# Altium PCB Copy of FPGA_Module.PcbDoc (part 2 of 3) (continued)
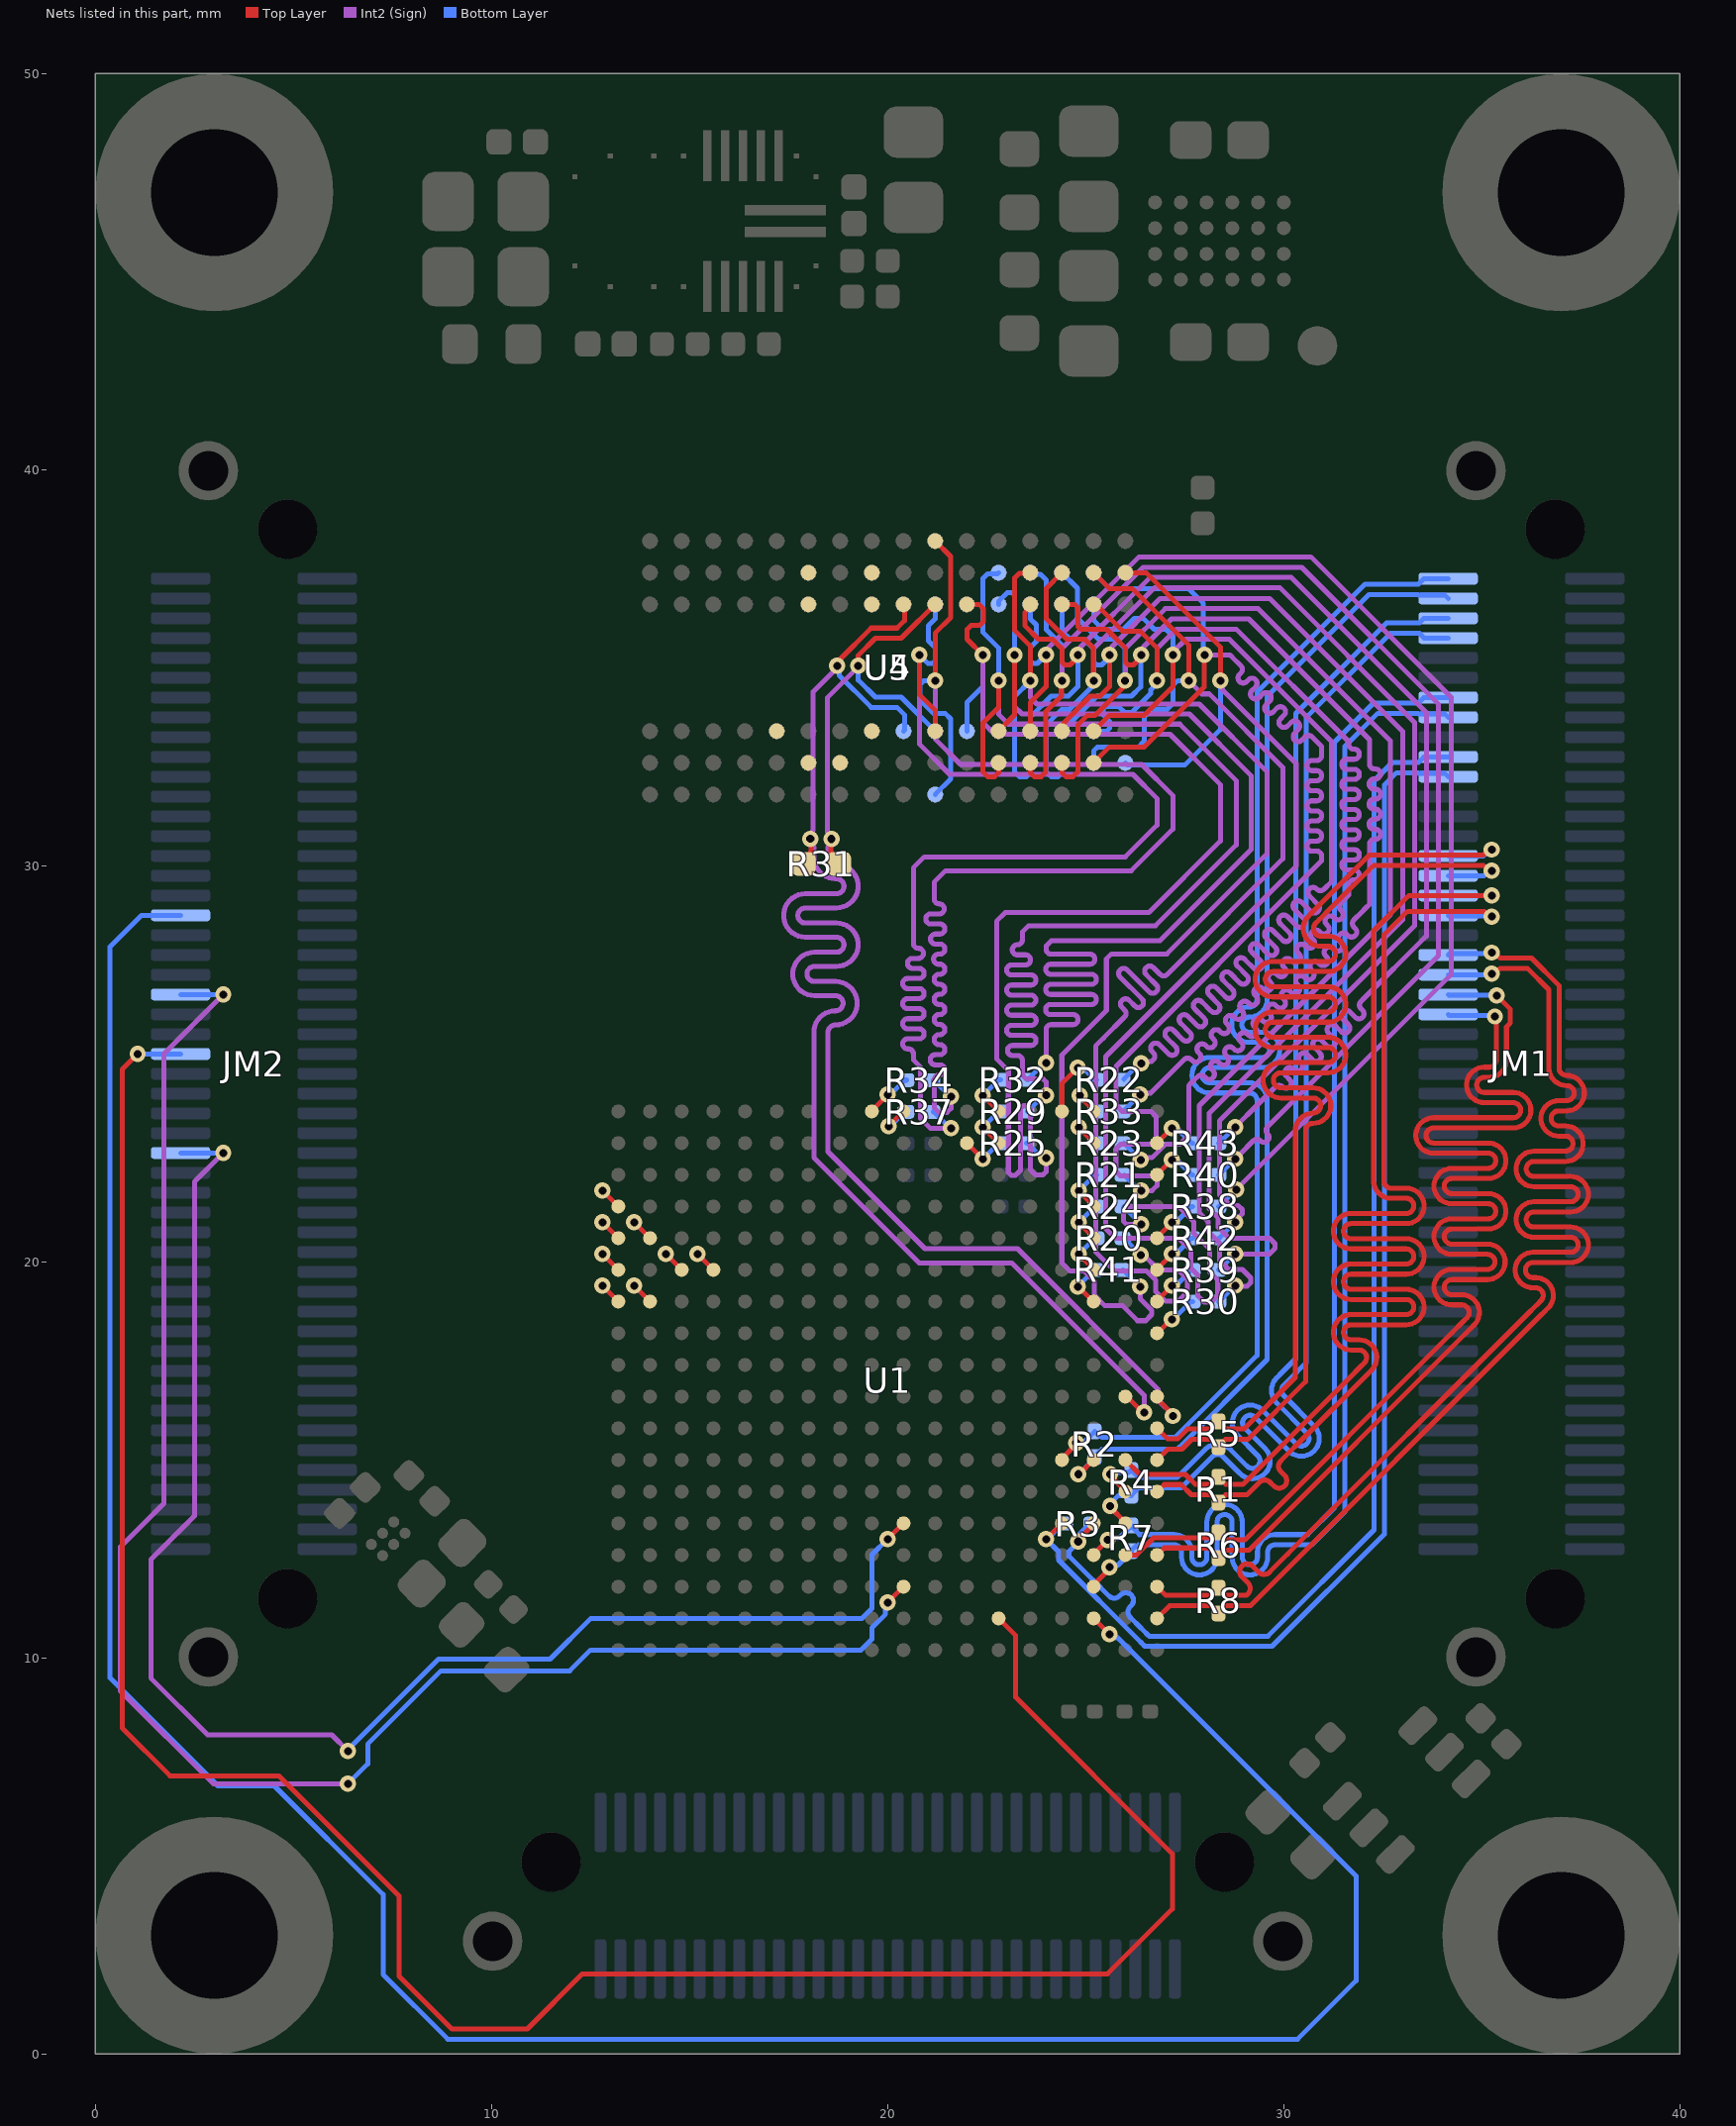
[diagram p5: the nets of this part, all layers, seen from the top]
## Nets (pads, with @x,y where several pads share a name; then routed paths per layer and width w, separated by ;. In a path a pad name is that pad's centre, name@x,y a point inside that pad or via, vN(x,y) a via of type N, cw(c..) or ccw(c..) an arc to the next point about the centre after c; other vN are vias at no path point) (continued)
  Bottom Layer w0.127: U5.P7@24.4,33.4 24.405,33.4 25.286,34.281 26.157,34.281 26.387,34.512 26.387,35.312 v1(26.4,35.325) ; R23.2@25.963,23 v1(26.388,22.575)
DDR3_A2: R39.1 U1.V12 | length 1.2
  Top Layer w0.127: U1.V12@26.8,19 26.8,19.013 27.175,19.388 v1(27.175,19.4)
  Bottom Layer w0.127: v1(27.175,19.4) 27.228,19.453 27.328,19.453 27.675,19.8 R39.1@27.7,19.8
DDR3_A2_T: R39.2 U4.P3 U5.P3 | length 32.6
  Top Layer w0.127: U4.P3@24.4,33.4 24.452,33.452 24.452,33.616 25.118,34.281 25.363,34.281 25.6,34.518 v1(25.6,35.325)
  Int2 (Sign) w0.127: v1(25.6,35.325) 25.653,35.378 25.653,35.521 26.882,36.75 29.644,36.75 33.003,33.391 33.003,28.639 28.122,23.758 28.122,21.338 28.342,21.119 28.342,20.877 28.618,20.6 29.642,20.6 29.782,20.46 29.782,20.341 29.641,20.2 v1(28.775,20.2)
  Bottom Layer w0.127: U5.P3@24.4,36.6 24.4,35.925 24.606,35.719 24.963,35.719 25.2,35.482 25.2,35.143 25.274,35.069 25.405,35.069 25.6,35.264 v1(25.6,35.325) ; R39.2@28.35,19.8 28.375,19.8 v1(28.775,20.2)
DDR3_A3: R40.1 U1.V16 | length 1.2
  Top Layer w0.127: U1.V16@26.8,22.2 v1(27.175,22.575)
  Bottom Layer w0.127: v1(27.175,22.575) 27.228,22.522 27.353,22.522 27.675,22.2 R40.1@27.7,22.2
DDR3_A3_T: R40.2 U4.N2 U5.N2 | length 33.5
  Top Layer w0.127: U4.N2@23.6,32.6 23.6,32.35 23.7,32.25 23.875,32.25 23.991,32.365 23.991,33.891 24.385,34.285 v1@24.385,34.671
  Int2 (Sign) w0.127: v1(24.4,34.675) 24.4,35.482 26.451,37.533 30.455,37.533 33.91,34.078 33.91,27.735 29.635,23.46 29.59,23.415 ccw(c29.68,23.326) 29.59,23.236 cw(c29.501,23.146) 29.59,23.056 cw(c29.501,23.146) 29.411,23.056 ccw(c29.321,22.966) 29.231,23.056 28.892,22.717 v1(28.775,22.6)
  Bottom Layer w0.127: U5.N2@23.6,37.4 23.639,37.361 23.859,37.361 24.01,37.21 24.01,35.956 24.406,35.56 24.406,34.681 v1(24.4,34.675) ; R40.2@28.35,22.2 28.375,22.2 v1(28.775,22.6)
DDR3_A4: R42.1 U1.V13 | length 1.2
  Top Layer w0.127: U1.V13@26.8,19.8 26.8,19.813 27.175,20.188 v1(27.175,20.2)
  Bottom Layer w0.127: v1(27.175,20.2) 27.228,20.253 27.328,20.253 27.675,20.6 R42.1@27.7,20.6
DDR3_A4_T: R42.2 U4.P8 U5.P8 | length 33.9
  Top Layer w0.127: U4.P8@24.4,37.4 24.01,37.009 24.01,36.231 24.522,35.719 24.974,35.719 25.194,35.499 25.194,34.681 v1@25.2,34.675
  Int2 (Sign) w0.127: v1(25.2,34.675) 25.2,35.482 26.743,37.025 29.898,37.025 33.3,33.623 33.3,28.482 28.376,23.558 28.376,21.692 28.643,21.425 28.846,21.425 28.952,21.319 28.952,21.214 28.775,21.037 v1(28.775,21)
  Bottom Layer w0.127: U5.P8@24.4,32.6 24.4,32.35 24.3,32.25 24.125,32.25 24.01,32.365 24.01,33.562 24.398,33.95 24.591,33.95 25.2,34.559 25.2,34.599 v1(25.2,34.675) ; R42.2@28.35,20.6 28.375,20.6 v1(28.775,21)
DDR3_A5: R30.1 U1.V11 | length 1.2
  Top Layer w0.127: U1.V11@26.8,18.2 26.813,18.2 27.162,18.55 v1(27.175,18.55)
  Bottom Layer w0.127: v1(27.175,18.55) 27.212,18.55 27.662,19 R30.1@27.7,19
DDR3_A5_T: R30.2 U4.P2 U5.P2 | length 34.1
  Top Layer w0.127: U4.P2@24.4,32.6 24.4,32.35 24.5,32.25 24.675,32.25 24.81,32.384 24.81,33.562 25.038,33.791 25.231,33.791 25.925,34.484 25.925,34.531 25.994,34.599 v1(25.994,34.675)
  Int2 (Sign) w0.127: v1(25.994,34.675) 26.006,34.688 26.006,35.488 27.01,36.492 29.356,36.492 32.695,33.153 32.695,28.769 27.868,23.943 27.868,21.233 28.088,21.014 28.088,20.772 28.379,20.48 28.379,20.046 28.381,20.044 28.381,20.037 28.612,19.806 28.954,19.806 29.165,19.595 29.165,19.474 29.076,19.384 v1@28.791,19.384 ; v1(28.775,19.4) v1@28.791,19.384 ; v1@28.8,19.375 v1@28.791,19.384
  Bottom Layer w0.127: U5.P2@24.4,37.4 24.791,37.01 24.791,36.25 25.322,35.719 25.763,35.719 25.994,35.488 v1(25.994,34.675) ; R30.2@28.35,19 28.375,19 v1(28.775,19.4)
DDR3_A6: R20.1 U1.T13 | length 1.2
  Top Layer w0.127: v1(24.825,20.2) 24.825,20.188 25.2,19.813 U1.T13@25.2,19.8
  Bottom Layer w0.127: v1(24.825,20.2) 24.837,20.2 25.237,20.6 R20.1@25.275,20.6
DDR3_A6_T: R20.2 U4.R8 U5.R8 | length 34.4
  Top Layer w0.127: U4.R8@25.2,37.4 25.6,37 26.175,37 27.6,35.575 v1(27.6,34.675)
  Int2 (Sign) w0.127: v1(26.388,20.175) 26.464,20.175 26.845,19.794 27.338,19.794 27.569,19.563 27.569,19.237 27.338,19.006 27.012,19.006 26.772,19.246 26.772,19.535 26.532,19.775 25.725,19.775 25.25,20.25 25.25,25.2 25.25,25.45 25.451,25.651 25.981,26.181 ccw(c25.891,26.271) 25.981,26.36 25.917,26.424 cw(c26.007,26.514) 25.917,26.603 cw(c26.007,26.514) 26.097,26.603 26.242,26.458 ccw(c26.332,26.548) 26.422,26.458 ccw(c26.332,26.548) 26.422,26.638 25.868,27.192 cw(c25.958,27.282) 25.868,27.371 cw(c25.958,27.282) 26.047,27.371 26.602,26.817 ccw(c26.691,26.907) 26.781,26.817 ccw(c26.691,26.907) 26.781,26.997 26.527,27.252 cw(c26.616,27.341) 26.527,27.431 cw(c26.616,27.341) 26.706,27.431 26.879,27.258 ccw(c26.969,27.348) 27.058,27.258 27.283,27.483 29.975,30.175 29.975,32.485 28.121,34.339 27.936,34.339 v1(27.6,34.675)
  Bottom Layer w0.127: U5.R8@25.2,32.6 25.2,32.9 25.291,32.991 26.323,32.991 26.475,33.143 26.475,33.749 26.668,33.942 27.047,33.942 27.2,34.094 27.2,34.55 27.325,34.675 v1(27.6,34.675) ; R20.2@25.963,20.6 v1(26.388,20.175)
DDR3_A7: R21.1 U1.T15 | length 1.2
  Top Layer w0.127: v1(24.825,21.8) 24.825,21.788 25.187,21.425 U1.T15@25.187,21.4
  Bottom Layer w0.127: v1(24.825,21.8) 24.837,21.8 25.237,22.2 R21.1@25.275,22.2
DDR3_A7_T: R21.2 U4.R2 U5.R2 | length 34.8
  Top Layer w0.127: U4.R2@25.2,32.6 25.6,33 26.482,33 27.763,34.281 27.994,34.512 v1@27.994,35.319
  Int2 (Sign) w0.127: v1(26.4,21.8) 26.675,21.8 26.8,21.925 26.8,22.05 26.675,22.175 25.874,22.175 25.761,22.289 25.761,22.844 25.886,22.969 26.64,22.969 26.781,23.11 26.781,23.672 26.653,23.8 25.916,23.8 25.767,23.95 25.767,24.935 30.956,30.125 30.956,30.18 30.956,30.243 ccw(c30.829,30.243) 30.829,30.37 30.713,30.37 cw(c30.713,30.497) 30.713,30.624 30.829,30.624 ccw(c30.829,30.751) 30.829,30.878 30.713,30.878 cw(c30.713,31.005) 30.713,31.132 30.829,31.132 ccw(c30.829,31.259) 30.829,31.386 30.713,31.386 cw(c30.713,31.513) 30.713,31.64 30.829,31.64 ccw(c30.829,31.767) 30.829,31.894 30.713,31.894 cw(c30.713,32.021) 30.713,32.148 30.829,32.148 ccw(c30.829,32.275) 30.829,32.402 30.713,32.402 cw(c30.713,32.529) 30.713,32.656 30.829,32.656 ccw(c30.829,32.783) 30.956,32.783 30.956,33.012 30.761,33.207 30.716,33.252 ccw(c30.627,33.162) 30.537,33.252 30.455,33.17 cw(c30.365,33.26) 30.275,33.17 cw(c30.365,33.26) 30.275,33.349 30.365,33.44 ccw(c30.275,33.529) 30.365,33.619 ccw(c30.275,33.529) 30.186,33.619 30.095,33.529 cw(c30.006,33.619) 29.916,33.529 cw(c30.006,33.619) 29.916,33.709 30.006,33.799 ccw(c29.916,33.889) 30.006,33.978 ccw(c29.916,33.889) 29.826,33.978 29.736,33.888 cw(c29.646,33.978) 29.557,33.888 cw(c29.646,33.978) 29.557,34.068 29.647,34.158 ccw(c29.557,34.248) 29.647,34.338 ccw(c29.557,34.248) 29.467,34.338 29.377,34.247 cw(c29.287,34.337) 29.197,34.247 cw(c29.287,34.337) 29.197,34.427 29.288,34.517 ccw(c29.198,34.607) 29.288,34.697 ccw(c29.198,34.607) 29.108,34.697 29.063,34.652 cw(c28.973,34.742) 28.884,34.652 cw(c28.973,34.742) 28.884,34.831 28.92,34.868 ccw(c28.83,34.958) 28.92,35.048 28.689,35.28 28.644,35.325 v1(28,35.325)
  Bottom Layer w0.127: U5.R2@25.2,37.4 25.61,36.991 27.606,36.991 27.971,36.626 27.971,35.354 v1(28,35.325) ; R21.2@25.963,22.187 25.976,22.187 26.363,21.8 v1(26.4,21.8)
DDR3_A8: R24.1 U1.T14 | length 1.2
  Top Layer w0.127: v1(24.825,21) 24.825,20.988 25.187,20.625 U1.T14@25.187,20.6
  Bottom Layer w0.127: v1(24.825,21) 24.837,21 25.237,21.4 R24.1@25.275,21.4
DDR3_A8_T: R24.2 U4.T8 U5.T8 | length 34.4
  Top Layer w0.127: U4.T8@26,37.4 26.525,37.4 28.4,35.525 v1(28.4,34.675)
  Int2 (Sign) w0.127: v1(26.4,20.95) 26.025,20.95 25.95,21.025 25.95,21.3 26.05,21.4 27.336,21.4 27.725,21.011 27.725,20.725 28.125,20.325 28.125,19.747 28.335,19.538 28.335,19.151 28.167,18.983 27.992,18.983 27.825,19.15 27.825,19.669 27.65,19.844 27.65,20.3 27.354,20.596 25.751,20.596 25.507,20.84 25.507,25.184 30.315,29.992 30.315,32.579 28.453,34.44 28.453,34.622 v1(28.4,34.675)
  Bottom Layer w0.127: R24.2@25.963,21.4 25.963,21.387 v1(26.4,20.95) ; U5.T8@26,32.6 26.052,32.548 26.204,32.548 26.211,32.541 27.501,32.541 28.4,33.44 v1(28.4,34.675)
DDR3_A9: R22.1 U1.R18 | length 1.9
  Top Layer w0.127: U1.R18@24.4,23.8 24.4,24.5 v1(24.8,24.9)
  Bottom Layer w0.127: v1(24.8,24.9) 24.853,24.847 24.99,24.847 25.237,24.6 R22.1@25.275,24.6
DDR3_A9_T: R22.2 U4.R3 U5.R3 | length 33.5
  Top Layer w0.127: U4.R3@25.2,33.4 25.6,33.8 26.482,33.8 27.2,34.518 v1(27.2,35.325)
  Int2 (Sign) w0.127: v1(26.401,25.012) 26.443,25.054 26.661,25.054 26.706,25.099 ccw(c26.616,25.189) 26.706,25.279 26.677,25.307 cw(c26.767,25.397) 26.677,25.487 cw(c26.767,25.397) 26.857,25.487 27.092,25.251 ccw(c27.182,25.341) 27.272,25.251 ccw(c27.182,25.341) 27.272,25.431 27.037,25.666 cw(c27.126,25.756) 27.037,25.846 cw(c27.126,25.756) 27.216,25.846 27.451,25.611 ccw(c27.541,25.7) 27.631,25.611 ccw(c27.541,25.7) 27.631,25.79 27.396,26.026 cw(c27.486,26.115) 27.396,26.205 cw(c27.486,26.115) 27.575,26.205 27.811,25.97 ccw(c27.9,26.06) 27.99,25.97 ccw(c27.9,26.06) 27.99,26.149 27.755,26.385 cw(c27.845,26.475) 27.755,26.564 cw(c27.845,26.475) 27.935,26.564 28.17,26.329 ccw(c28.26,26.419) 28.349,26.329 ccw(c28.26,26.419) 28.349,26.509 28.114,26.744 cw(c28.204,26.834) 28.114,26.924 cw(c28.204,26.834) 28.294,26.924 28.529,26.688 ccw(c28.619,26.778) 28.709,26.688 ccw(c28.619,26.778) 28.709,26.868 28.473,27.103 cw(c28.563,27.193) 28.473,27.283 cw(c28.563,27.193) 28.653,27.283 28.888,27.048 ccw(c28.978,27.137) 29.068,27.048 ccw(c28.978,27.137) 29.068,27.227 28.833,27.462 cw(c28.922,27.552) 28.833,27.642 cw(c28.922,27.552) 29.012,27.642 29.247,27.407 ccw(c29.337,27.497) 29.427,27.407 ccw(c29.337,27.497) 29.427,27.586 29.192,27.822 cw(c29.282,27.911) 29.192,28.001 cw(c29.282,27.911) 29.371,28.001 29.607,27.766 ccw(c29.696,27.856) 29.786,27.766 ccw(c29.696,27.856) 29.786,27.946 29.551,28.181 cw(c29.641,28.271) 29.551,28.36 cw(c29.641,28.271) 29.731,28.36 29.966,28.125 ccw(c30.056,28.215) 30.145,28.125 ccw(c30.056,28.215) 30.145,28.305 29.91,28.54 cw(c30,28.63) 29.91,28.72 cw(c30,28.63) 30.09,28.72 30.325,28.484 ccw(c30.415,28.574) 30.505,28.484 ccw(c30.415,28.574) 30.505,28.664 30.269,28.899 cw(c30.359,28.989) 30.269,29.079 cw(c30.359,28.989) 30.449,29.079 30.684,28.844 ccw(c30.774,28.933) 30.864,28.844 ccw(c30.774,28.933) 30.864,29.023 30.649,29.238 cw(c30.739,29.327) 30.649,29.417 cw(c30.739,29.327) 30.829,29.417 30.836,29.41 ccw(c30.926,29.5) 31.016,29.41 31.21,29.604 31.21,29.611 31.21,33.134 28.623,35.721 27.528,35.721 27.2,35.393 v1(27.2,35.325)
  Bottom Layer w0.127: U5.R3@25.2,36.6 25.2,36.2 25.428,35.973 25.948,35.973 26.225,36.25 26.45,36.25 26.727,35.973 27.027,35.973 27.2,35.8 v1(27.2,35.325) ; R22.2@25.963,24.613 v1@26.375,25.025
DDR3_A10: R25.1 U1.M17 | length 1.2
  Top Layer w0.127: U1.M17@22,23 v1(22.4,22.6)
  Bottom Layer w0.127: v1(22.4,22.6) 22.412,22.6 22.812,23 R25.1@22.85,23
DDR3_A10_T: R25.2 U4.L7 U5.L7 | length 32.2
  Top Layer w0.127: U4.L7@22,36.6 22.308,36.6 22.42,36.489 22.42,36.167 22.324,36.071 22.109,36.071 22.005,35.967 22.005,35.72 v1(22.4,35.325)
  Int2 (Sign) w0.127: v1(22.4,35.325) 22.4,33.625 22.702,33.323 27.127,33.323 28.4,32.05 28.4,30.625 26.596,28.821 22.971,28.821 22.75,28.6 22.75,25.126 23.048,24.829 23.048,22.261 23.122,22.187 23.227,22.187 23.35,22.31 23.35,23.866 23.424,23.94 23.53,23.94 23.606,23.863 23.606,22.319 23.731,22.194 23.919,22.194 24,22.275 v1(24,22.625)
  Bottom Layer w0.127: U5.L7@22,33.4 22,34.118 22.4,34.518 v1(22.4,35.325) ; R25.2@23.5,23 23.525,23 23.847,22.678 23.947,22.678 v1(24,22.625)
DDR3_A11: R33.1 U1.T18 | length 1.1
  Top Layer w0.127: v1(24.85,24.202) 24.85,24.176 25.187,23.839 U1.T18@25.187,23.794
  Bottom Layer w0.127: v1@24.85,24.201 25.251,23.8 R33.1@25.275,23.8
DDR3_A11_T: R33.2 U4.R7 U5.R7 | length 32.9
  Top Layer w0.127: U4.R7@25.2,36.6 25.259,36.6 25.934,35.925 26.375,35.925 26.8,35.5 v1(26.8,34.675)
  Int2 (Sign) w0.127: v1(26.375,24.225) 26.412,24.262 26.641,24.262 26.903,24.524 27.487,25.107 cw(c27.577,25.018) 27.666,25.107 27.692,25.081 ccw(c27.782,25.171) 27.872,25.081 ccw(c27.782,25.171) 27.872,25.261 27.846,25.287 cw(c27.936,25.377) 27.846,25.467 cw(c27.936,25.377) 28.026,25.467 28.052,25.44 ccw(c28.141,25.53) 28.231,25.44 ccw(c28.141,25.53) 28.231,25.62 28.205,25.646 cw(c28.295,25.736) 28.205,25.826 cw(c28.295,25.736) 28.385,25.826 28.411,25.8 ccw(c28.501,25.889) 28.59,25.8 ccw(c28.501,25.889) 28.59,25.979 28.564,26.005 cw(c28.654,26.095) 28.564,26.185 cw(c28.654,26.095) 28.744,26.185 28.77,26.159 ccw(c28.86,26.249) 28.95,26.159 ccw(c28.86,26.249) 28.95,26.339 28.924,26.365 cw(c29.013,26.454) 28.924,26.544 cw(c29.013,26.454) 29.103,26.544 29.129,26.518 ccw(c29.219,26.608) 29.309,26.518 ccw(c29.219,26.608) 29.309,26.698 29.283,26.724 cw(c29.373,26.814) 29.283,26.903 cw(c29.373,26.814) 29.462,26.903 29.489,26.877 ccw(c29.578,26.967) 29.668,26.877 ccw(c29.578,26.967) 29.668,27.057 29.642,27.083 cw(c29.732,27.173) 29.642,27.263 cw(c29.732,27.173) 29.822,27.263 29.848,27.237 ccw(c29.938,27.326) 30.027,27.237 ccw(c29.938,27.326) 30.027,27.416 30.001,27.442 cw(c30.091,27.532) 30.001,27.622 cw(c30.091,27.532) 30.181,27.622 30.207,27.596 ccw(c30.297,27.686) 30.387,27.596 ccw(c30.297,27.686) 30.387,27.775 30.36,27.801 cw(c30.45,27.891) 30.36,27.981 cw(c30.45,27.891) 30.54,27.981 30.566,27.955 ccw(c30.656,28.045) 30.746,27.955 ccw(c30.656,28.045) 30.746,28.135 30.72,28.161 cw(c30.81,28.25) 30.72,28.34 cw(c30.81,28.25) 30.899,28.34 30.925,28.314 ccw(c31.015,28.404) 31.105,28.314 ccw(c31.015,28.404) 31.105,28.494 31.079,28.52 cw(c31.169,28.61) 31.079,28.699 cw(c31.169,28.61) 31.259,28.699 31.285,28.673 ccw(c31.374,28.763) 31.464,28.673 ccw(c31.374,28.763) 31.464,28.853 31.438,28.879 cw(c31.528,28.969) 31.438,29.059 31.575,29.195 31.591,29.212 31.641,29.261 31.641,29.515 cw(c31.768,29.515) 31.768,29.642 31.777,29.642 ccw(c31.777,29.769) 31.777,29.896 31.591,29.896 cw(c31.591,30.023) 31.591,30.15 31.783,30.15 ccw(c31.783,30.277) 31.783,30.404 31.591,30.404 cw(c31.591,30.531) 31.591,30.658 31.78,30.658 ccw(c31.78,30.785) 31.78,30.912 31.591,30.912 cw(c31.591,31.039) 31.591,31.166 31.78,31.166 ccw(c31.78,31.293) 31.78,31.42 31.591,31.42 cw(c31.591,31.547) 31.591,31.674 31.781,31.674 ccw(c31.781,31.801) 31.781,31.928 31.591,31.928 cw(c31.591,32.055) 31.591,32.182 31.781,32.182 ccw(c31.781,32.309) 31.781,32.436 31.591,32.436 cw(c31.591,32.563) 31.591,32.69 31.782,32.69 ccw(c31.782,32.817) 31.782,32.944 31.768,32.944 cw(c31.768,33.071) 31.641,33.071 31.641,33.134 28.8,35.975 27.293,35.975 26.8,35.482 v1(26.8,34.675)
  Bottom Layer w0.127: U5.R7@25.2,33.4 25.535,33.4 25.61,33.474 25.61,33.64 25.437,33.813 25.437,33.953 25.512,34.027 25.825,34.027 25.977,33.876 26.166,33.876 26.641,34.351 26.641,34.441 26.8,34.599 v1(26.8,34.675) ; R33.2@25.963,23.8 25.963,23.813 v1(26.375,24.225)
DDR3_A12: R43.1 U1.V17 | length 1.2
  Top Layer w0.127: U1.V17@26.8,23 v1(27.175,23.375)
  Bottom Layer w0.127: v1(27.175,23.375) 27.228,23.322 27.353,23.322 27.675,23 R43.1@27.7,23
DDR3_A12_T: R43.2 U4.N7 U5.N7 | length 32.9
  Top Layer w0.127: U4.N7@23.6,36.6 23.6,36.526 23.464,36.39 23.464,36.062 23.806,35.719 24.163,35.719 24.4,35.482 24.4,35.143 24.474,35.069 24.605,35.069 24.8,35.264 v1(24.8,35.325)
  Int2 (Sign) w0.127: v1(24.8,35.325) 24.853,35.378 24.853,35.507 26.626,37.279 30.191,37.279 33.6,33.87 33.6,28.225 31.993,26.618 31.948,26.573 ccw(c32.038,26.483) 31.948,26.393 31.989,26.353 cw(c31.899,26.263) 31.989,26.173 cw(c31.899,26.263) 31.809,26.173 31.669,26.313 ccw(c31.58,26.223) 31.49,26.313 ccw(c31.58,26.223) 31.49,26.133 31.63,25.993 cw(c31.54,25.904) 31.63,25.814 cw(c31.54,25.904) 31.45,25.814 31.31,25.954 ccw(c31.22,25.864) 31.131,25.954 ccw(c31.22,25.864) 31.131,25.774 31.27,25.634 cw(c31.181,25.544) 31.27,25.455 cw(c31.181,25.544) 31.091,25.455 30.951,25.594 ccw(c30.861,25.505) 30.771,25.594 ccw(c30.861,25.505) 30.771,25.415 30.911,25.275 cw(c30.821,25.185) 30.911,25.095 cw(c30.821,25.185) 30.732,25.095 30.592,25.235 ccw(c30.502,25.145) 30.412,25.235 ccw(c30.502,25.145) 30.412,25.056 30.436,25.032 cw(c30.346,24.942) 30.436,24.853 cw(c30.346,24.942) 30.256,24.853 30.242,24.867 ccw(c30.152,24.777) 30.062,24.867 ccw(c30.152,24.777) 30.062,24.687 30.152,24.597 cw(c30.062,24.508) 30.152,24.418 cw(c30.062,24.508) 29.972,24.418 ccw(c29.883,24.328) 29.793,24.418 29.355,23.98 v1(28.775,23.4)
  Bottom Layer w0.127: U5.N7@23.6,33.4 23.6,33.75 24.131,34.281 24.563,34.281 24.8,34.518 v1(24.8,35.325) ; R43.2@28.35,23 28.375,23 v1(28.775,23.4)
DDR3_BA0: R29.1 U1.N17 | length 1.2
  Top Layer w0.127: v1(22.4,23.4) U1.N17@22.8,23
  Bottom Layer w0.127: v1(22.4,23.4) 22.412,23.4 22.812,23.8 R29.1@22.85,23.8
DDR3_BA0_T: R29.2 U4.M2 U5.M2 | length 33.4
  Top Layer w0.127: U4.M2@22.8,32.6 22.8,32.35 22.7,32.25 22.525,32.25 22.41,32.365 22.41,33.608 22.804,34.002 22.804,34.671 v1(22.8,34.675)
  Int2 (Sign) w0.127: v1(22.8,34.675) 22.8,33.825 23.048,33.577 27.373,33.577 28.8,32.15 28.8,30.525 26.761,28.486 23.559,28.486 23.463,28.39 23.401,28.328 23.401,28.132 cw(c23.274,28.132) 23.274,28.005 ccw(c23.274,27.878) 23.274,27.751 23.48,27.751 cw(c23.48,27.624) 23.48,27.497 23.131,27.497 ccw(c23.131,27.37) 23.131,27.243 23.618,27.243 cw(c23.618,27.116) 23.618,26.989 23.131,26.989 ccw(c23.131,26.862) 23.131,26.735 23.614,26.735 cw(c23.614,26.608) 23.614,26.481 23.131,26.481 ccw(c23.131,26.354) 23.131,26.227 23.623,26.227 cw(c23.623,26.1) 23.623,25.973 23.131,25.973 ccw(c23.131,25.846) 23.131,25.719 23.619,25.719 cw(c23.619,25.592) 23.619,25.465 23.152,25.465 ccw(c23.152,25.338) 23.152,25.211 23.274,25.211 cw(c23.274,25.084) 23.401,25.084 23.401,25.02 23.401,24.718 23.501,24.617 23.926,24.617 24.001,24.543 v1(24.001,24.205)
  Bottom Layer w0.127: v1(22.8,34.675) 22.8,35.5 22.41,35.89 22.41,37.257 22.527,37.375 22.775,37.375 U5.M2@22.8,37.4 ; R29.2@23.533,23.8 23.538,23.8 23.943,24.205 v1(24.001,24.205)
DDR3_BA1: R41.1 U1.T12 | length 1.2
  Top Layer w0.127: v1(24.8,19.375) 24.813,19.375 25.187,19 U1.T12@25.2,19
  Bottom Layer w0.127: v1(24.8,19.375) 25.225,19.8 R41.1@25.25,19.8
DDR3_BA1_T: R41.2 U4.N8 U5.N8 | length 33.5
  Top Layer w0.127: U4.N8@23.6,37.4 23.581,37.381 23.321,37.381 23.21,37.27 23.21,35.94 23.601,35.549 v1(23.601,34.675)
  Int2 (Sign) w0.127: v1(23.601,34.675) 23.601,34.249 23.765,34.085 27.865,34.085 29.575,32.375 29.575,30.3 27.05,27.775 25.65,27.775 25.524,27.649 25.524,26.348 24.397,25.222 24.397,19.971 24.599,19.769 24.965,19.769 25.216,19.518 25.216,19.159 25.475,18.9 25.925,18.9 26.31,18.515 26.515,18.515 26.67,18.67 26.67,18.775 26.375,19.07 v1(26.375,19.375)
  Bottom Layer w0.127: U5.N8@23.6,32.6 23.6,32.35 23.5,32.25 23.325,32.25 23.21,32.365 23.21,34.277 v1@23.604,34.671 ; R41.2@25.938,19.8 26.362,19.375 v1(26.375,19.375)
DDR3_BA2: R32.1 U1.N18 | length 1.2
  Top Layer w0.127: v1(22.4,24.2) U1.N18@22.8,23.8
  Bottom Layer w0.127: v1(22.4,24.2) 22.413,24.2 22.813,24.6 R32.1@22.85,24.6
DDR3_BA2_T: R32.2 U4.M3 U5.M3 | length 32.2
  Top Layer w0.127: U4.M3@22.8,33.4 23.207,33.807 v1(23.207,35.323)
  Int2 (Sign) w0.127: v1@23.2,35.323 23.2,34.025 23.394,33.831 27.619,33.831 29.175,32.275 29.175,30.407 26.876,28.108 24.133,28.108 24.121,28.096 24.002,27.977 24.002,27.895 ccw(c24.129,27.895) 24.129,27.768 25.105,27.768 cw(c25.105,27.641) 25.105,27.514 24.119,27.514 ccw(c24.119,27.387) 24.119,27.26 25.143,27.26 cw(c25.143,27.133) 25.143,27.006 24.117,27.006 ccw(c24.117,26.879) 24.117,26.752 25.143,26.752 cw(c25.143,26.625) 25.143,26.498 24.114,26.498 ccw(c24.114,26.371) 24.114,26.244 24.679,26.244 cw(c24.679,26.117) 24.679,25.99 24.127,25.99 ccw(c24.127,25.863) 24,25.863 24,25.374 24,25.037 v1(24,25.025)
  Bottom Layer w0.127: U5.M3@22.8,36.6 22.8,36.674 23.024,36.898 23.135,36.898 23.209,36.824 v1@23.209,35.326 ; R32.2@23.533,24.6 23.538,24.6 23.963,25.025 v1(24,25.025)
DDR3_CAS: R37.1 U1.K18 | length 1.1
  Top Layer w0.127: v1(20.025,23.425) U1.K18@20.4,23.8
  Bottom Layer w0.127: v1(20.025,23.425) 20.072,23.425 20.435,23.789 R37.1@20.473,23.789
DDR3_CAS_T: R37.2 U4.K3 U5.K3 | length 32.1
  Top Layer w0.127: v1(20.8,35.325) 20.8,34.325 21.2,33.925 U4.K3@21.2,33.4
  Int2 (Sign) w0.127: v1(20.8,35.325) 20.8,33.075 21.568,32.307 26.193,32.307 26.8,31.7 26.8,31.025 26,30.225 20.925,30.225 20.65,29.95 20.65,29.03 20.65,28.043 ccw(c20.777,28.043) 20.777,27.916 cw(c20.777,27.789) 20.777,27.662 20.628,27.662 ccw(c20.628,27.535) 20.628,27.408 20.794,27.408 cw(c20.794,27.281) 20.794,27.154 20.506,27.154 ccw(c20.506,27.027) 20.506,26.9 20.794,26.9 cw(c20.794,26.773) 20.794,26.646 20.506,26.646 ccw(c20.506,26.519) 20.506,26.392 20.794,26.392 cw(c20.794,26.265) 20.794,26.138 20.506,26.138 ccw(c20.506,26.011) 20.506,25.884 20.794,25.884 cw(c20.794,25.757) 20.794,25.63 20.506,25.63 ccw(c20.506,25.503) 20.506,25.376 20.523,25.376 cw(c20.523,25.249) 20.65,25.249 20.65,25.186 20.65,25.1 20.825,24.925 20.825,23.625 21.075,23.375 v1(21.6,23.375)
  Bottom Layer w0.127: v1(20.8,35.325) 21.02,35.105 21.126,35.105 21.2,35.179 21.2,35.507 21.025,35.682 21.025,36.061 21.2,36.236 U5.K3@21.2,36.6 ; R37.2@21.156,23.789 21.161,23.789 21.575,23.375 v1(21.6,23.375)
DDR3_CKE: R34.1 U1.J18 | length 1.2
  Top Layer w0.127: U1.J18@19.6,23.8 19.6,23.813 20,24.212 v1(20,24.225)
  Bottom Layer w0.127: v1(20,24.225) 20.072,24.225 20.435,24.589 R34.1@20.473,24.589
DDR3_CKE_T: R34.2 U4.K9 U5.K9 | length 34.1
  Top Layer w0.127: v1(21.2,34.675) 21.2,35.875 21.59,36.266 21.59,37.81 U4.K9@21.2,38.2
  Int2 (Sign) w0.127: v1(21.2,34.675) 21.2,33.2 21.839,32.561 26.414,32.561 27.2,31.775 27.2,30.925 26.15,29.875 21.463,29.875 21.175,29.587 21.175,29.4 21.175,29.166 ccw(c21.302,29.166) 21.302,29.039 cw(c21.302,28.912) 21.302,28.785 21.09,28.785 ccw(c21.09,28.658) 21.09,28.531 21.319,28.531 cw(c21.319,28.404) 21.319,28.277 21.209,28.277 ccw(c21.209,28.15) 21.209,28.023 21.319,28.023 cw(c21.319,27.896) 21.319,27.769 21.285,27.769 ccw(c21.285,27.642) 21.285,27.515 21.319,27.515 cw(c21.319,27.388) 21.319,27.261 21.302,27.261 ccw(c21.302,27.134) 21.302,27.007 21.319,27.007 cw(c21.319,26.88) 21.319,26.753 21.302,26.753 ccw(c21.302,26.626) 21.302,26.499 21.319,26.499 cw(c21.319,26.372) 21.319,26.245 21.302,26.245 ccw(c21.302,26.118) 21.302,25.991 21.319,25.991 cw(c21.319,25.864) 21.319,25.737 21.302,25.737 ccw(c21.302,25.61) 21.302,25.483 21.319,25.483 cw(c21.319,25.356) 21.319,25.229 21.201,25.229 ccw(c21.201,25.102) 21.201,24.975 21.319,24.975 cw(c21.319,24.848) 21.319,24.721 21.302,24.721 ccw(c21.302,24.594) 21.175,24.594 21.175,24.277 21.175,23.888 21.288,23.775 21.5,23.775 21.6,23.875 v1(21.6,24.175)
  Bottom Layer w0.127: R34.2@21.156,24.589 21.161,24.589 21.575,24.175 v1(21.6,24.175) ; U5.K9@21.2,31.8 21.591,32.191 21.591,33.71 21.45,33.85 21.153,33.85 20.822,34.181 20.822,34.586 20.904,34.668 21.193,34.668 v1(21.2,34.675)
DDR3_CLK_N: R31.1 U1.V9 U4.K7 U5.K7 | length 36.5
  Top Layer w0.127: v1(18.583,30.678) 18.568,30.664 18.568,30.361 18.592,30.337 18.592,30.233 R31.1@18.775,30.05 ; v1@19.258,34.95 19.258,35.313 19.689,35.744 20.344,35.744 20.419,35.819 U4.K7@21.2,36.6 ; U1.V9@26.8,16.6 26.8,16.554 27.2,16.154 v1(27.2,16.109)
  Int2 (Sign) w0.127: v1@18.54,30.657 18.54,30.797 18.475,30.862 18.475,34.241 19.258,35.025 v1(19.258,35.05) ; v1@18.546,30.65 18.529,30.633 18.529,30.499 18.494,30.464 18.494,30.222 ccw(c18.685,30.222) 18.685,30.032 18.709,30.032 cw(c18.709,29.484) 18.709,28.936 17.923,28.936 ccw(c17.923,28.745) 17.923,28.555 18.709,28.555 cw(c18.709,28.007) 18.709,27.459 18.153,27.459 ccw(c18.153,27.269) 18.153,27.078 18.685,27.078 cw(c18.685,26.53) 18.685,25.982 ccw(c18.685,25.792) 18.494,25.792 18.494,24.906 18.494,22.781 20.943,20.332 23.28,20.332 26.832,16.78 26.832,16.506 27.2,16.139 v1(27.2,16.109)
  Bottom Layer w0.127: v1(19.258,35.05) 19.258,34.687 19.689,34.256 20.344,34.256 20.419,34.181 U5.K7@21.2,33.4
DDR3_CLK_P: R31.2 U1.U9 U4.J7 U5.J7 | length 36
  Top Layer w0.127: R31.2@17.875,30.05 18.058,30.233 18.058,30.354 18.065,30.361 18.065,30.664 v1(18.049,30.68) ; v1@18.725,34.95 18.778,35.003 18.778,35.197 19.583,36.001 20.237,36.001 20.424,36.188 20.424,36.576 U4.J7@20.4,36.6 ; U1.U9@26,16.6 26.037,16.6 26.438,16.2 v1(26.475,16.2)
  Int2 (Sign) w0.127: 18.137,30.464 18.137,30.222 ccw(c18.685,30.222) 18.685,29.674 18.709,29.674 cw(c18.709,29.484) 18.709,29.293 17.923,29.293 ccw(c17.923,28.745) 17.923,28.197 18.709,28.197 cw(c18.709,28.007) 18.709,27.816 18.153,27.816 ccw(c18.153,27.269) 18.153,26.721 18.685,26.721 cw(c18.685,26.53) 18.685,26.34 ccw(c18.685,25.792) 18.137,25.792 18.137,24.906 18.137,22.633 20.795,19.975 23.132,19.975 26.475,16.632 v1(26.475,16.2) ; 18.137,30.465 18.103,30.5 18.103,30.633 18.054,30.681 18.103,30.73 18.103,30.879 18.118,30.894 18.118,34.389 18.725,34.997 v1(18.725,35.05)
  Bottom Layer w0.127: v1(18.725,35.05) 18.778,34.997 18.778,34.804 19.583,33.999 20.237,33.999 20.424,33.812 20.424,33.424 U5.J7@20.4,33.4
DDR3_D0: U1.B12 U4.E3 | length 0.5
  Top Layer w0.127: v1(13.6,19.4) U1.B12@13.962,19.038
DDR3_D1: U1.A12 U4.F7 | length 0.5
  Top Layer w0.127: v1(12.8,19.4) U1.A12@13.162,19.038
DDR3_D2: U1.A13 U4.F2 | length 0.5
  Top Layer w0.127: v1(12.8,20.2) U1.A13@13.162,19.838
DDR3_D3: U1.A14 U4.F8 | length 0.5
  Top Layer w0.127: v1(12.8,21) U1.A14@13.162,20.638
DDR3_D4: U1.B14 U4.H3 | length 0.5
  Top Layer w0.127: v1(13.6,21) U1.B14@13.962,20.638
DDR3_D5: U1.A15 U4.H8 | length 0.5
  Top Layer w0.127: v1(12.8,21.8) U1.A15@13.162,21.438
DDR3_D6: U1.D13 U4.G2 | length 0.5
  Top Layer w0.127: v1(15.2,20.2) U1.D13@15.562,19.838
DDR3_D7: U1.C13 U4.H7 | length 0.5
  Top Layer w0.127: v1(14.4,20.2) U1.C13@14.762,19.838